# Altium PCB BEAGLEPLAYV020_220915.brd.PcbDoc (part 11 of 12) (continued)
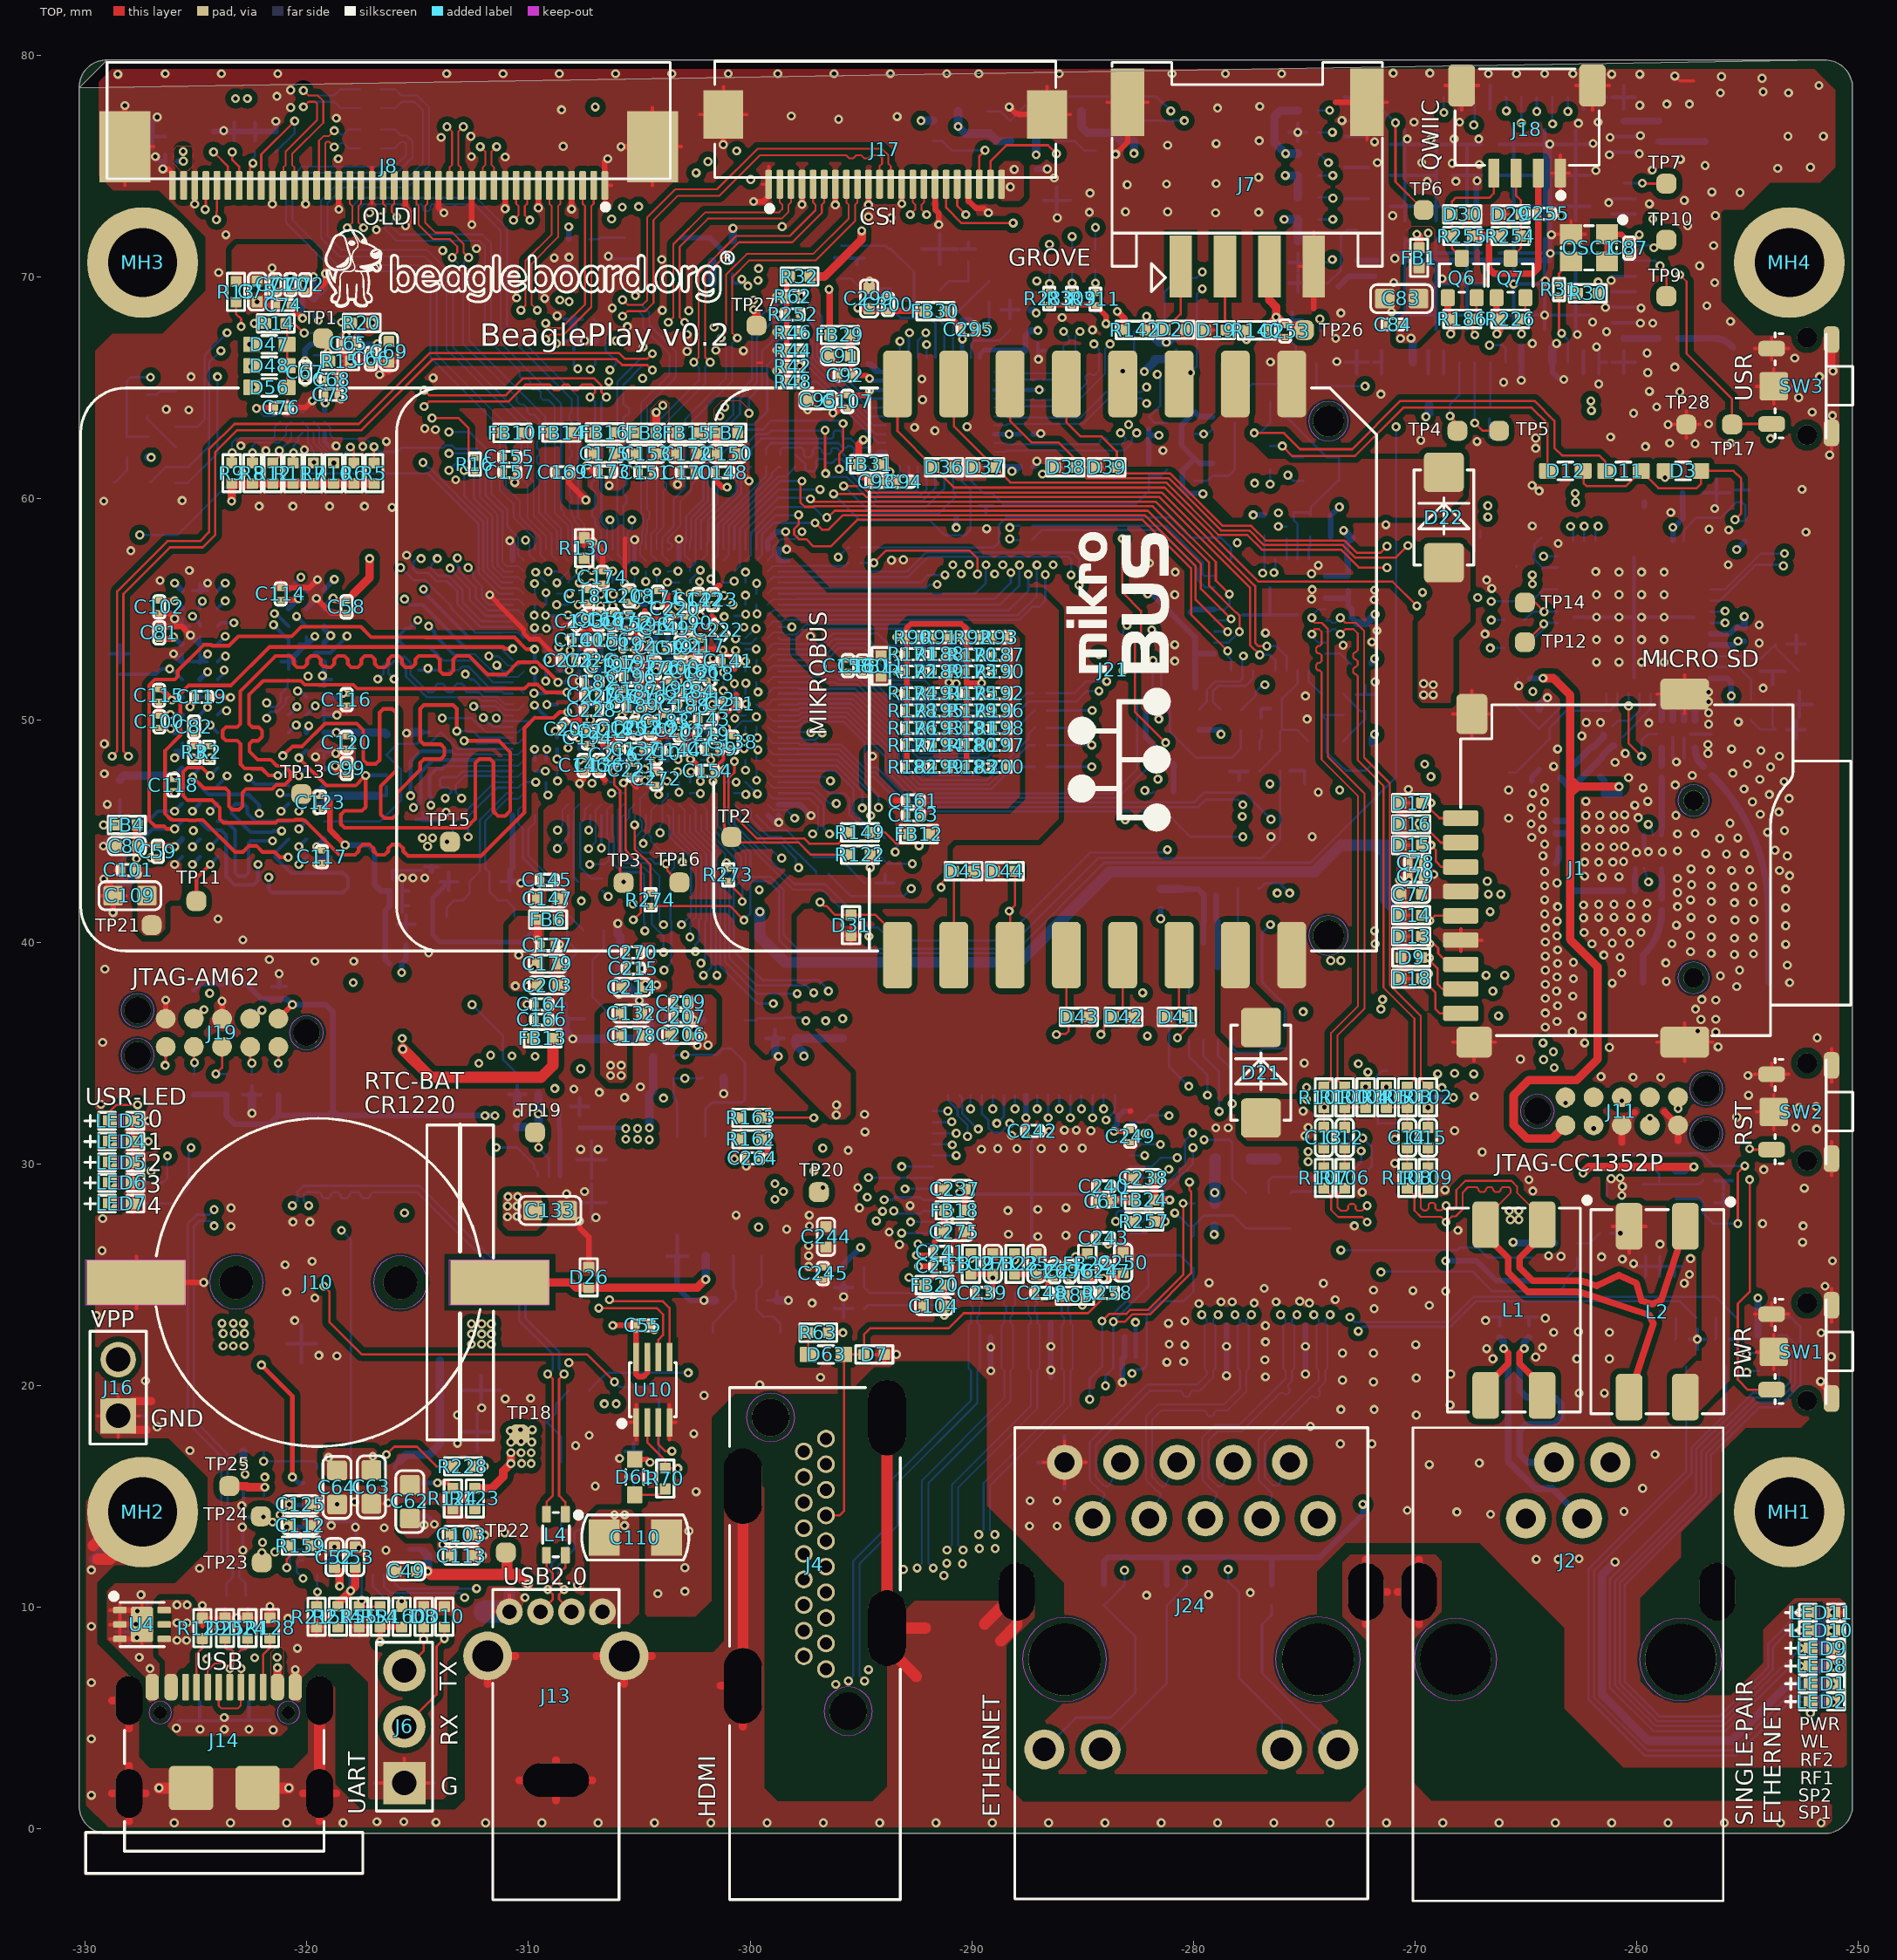
[diagram p0: TOP view]
## Nets (pads, with @x,y where several pads share a name; then routed paths per layer and width w, separated by ;. In a path a pad name is that pad's centre, name@x,y a point inside that pad or via, vN(x,y) a via of type N, cw(c..) or ccw(c..) an arc to the next point about the centre after c; other vN are vias at no path point) (continued)
  LYR3 w0.097: v10(-273.736,70.79) -273.024,70.79 -272.771,70.536 -272.771,66.604 -270.566,64.399 -267.752,64.399 -266.497,63.144 -266.497,60.706 -267.183,60.02 v10(-267.183,55.55)
  LAY6 w0.097: -297.104,50.924 -295.679,50.924 -295.676,50.922 -295.651,50.922 -292.264,47.535 -290.046,47.535 -289.772,47.261 -284.324,47.261 -283.269,48.316 -281.767,48.316 -280.518,47.066 -277.012,47.066 -276.255,46.309 -273.375,46.309 -267.894,51.791 -267.894,54.839 v10(-267.183,55.55) ; v10(-273.736,70.79) -273.71,70.815 -273.71,71.78 -272.263,73.228 -264.719,73.228 -263.115,74.832 v3(-263.115,77.47)
  LAY6 w0.102: v3(-300.711,51.663) -300.305,51.257 -300.127,51.257 -299.794,50.924 -297.104,50.924
  BOTTOM w0.102: U1.M21@-300.711,51.22 v3(-300.711,51.663) ; R18.1@-274.373,71.603 -274.373,70.674 R218.1@-274.36,70.661 -273.864,70.661 v10(-273.736,70.79) ; v3(-263.115,77.47) U5.14@-263.115,78.111
WL_UART_DBG: TP5.1 U5.42 | length 4
  TOP w0.102: v5(-267.315,63.419) -266.964,63.068 TP5.1@-266.217,63.068
  BOTTOM w0.102: v5(-267.315,63.419) U5.42@-267.315,66.161
WLAN_RS232_RX: TP10.1 U5.26 | length 2.1
  TOP w0.102: v5(-259.232,71.323) -259.156,71.323 -258.953,71.526 -258.819,71.526 TP10.1@-258.669,71.676
  BOTTOM w0.102: U5.26@-260.59,71.436 -259.334,71.436 -259.232,71.334 v5(-259.232,71.323)
WLAN_RS232_TX: TP9.1 U5.27 | length 3.2
  TOP w0.102: v5(-258.953,70.51) -258.669,70.227 TP9.1@-258.669,69.136
  BOTTOM w0.102: U5.27@-260.59,70.736 -259.179,70.736 v5(-258.953,70.51)
XI: C2.1 OSC2.3 R224.2 R272.1 R275.1 U13.10 X2.3 | length 6.7
  BOTTOM w0.102: R272.1@-277.032,47.701 -276.1,48.634 R275.1@-276.1,48.672 -276.1,49.503 R224.2@-276.018,49.584 ; U13.10@-275.304,52.248 -275.304,51.67 -276.018,50.956 C2.1@-276.018,50.524 R224.2@-276.018,49.584 ; X2.3@-274.857,49.075 -274.857,49.105 OSC2.3@-274.991,49.239 -275.336,49.584 R224.2@-276.018,49.584
XO: R99.1 U13.9 | length 1.3
  BOTTOM w0.102: U13.9@-274.804,52.248 -274.804,51.76 R99.1@-274.215,51.171
XTAL_IN: C88.1 R277.1 U6.36 Y2.1 | length 8.5
  BOTTOM w0.102: R277.1@-295.885,71.425 -295.875,71.415 C88.1@-295.18,71.415 -293.891,71.415 Y2.1@-293.742,71.266 -293.643,71.266 -292.608,70.231 -292.608,68.656 -292.354,68.402 -291.795,68.402 -291.243,67.85 U6.36@-291.243,66.367
XTAL_OUT: R229.2 R248.2 U6.37 | length 4.1
  BOTTOM w0.102: U6.37@-290.843,66.367 -290.855,66.379 -290.855,68.198 R248.2@-290.158,68.895 ; R248.2@-290.158,68.897 R248.2@-290.158,68.895 ; R229.2@-289.223,69.814 -290.142,68.895 R248.2@-290.158,68.895
pads on no net: J1. J2. J2.2 J2.5 J4. J4.14 J10. J11. J11.7 J11.9 J14. J14.A8 J14.B8 J19. J21. J24. J24.10 MH3.1 MH4.1 SW1. SW2. SW3. U1.A2 U1.A4 U1.A5 U1.A7 U1.A14 U1.AA12 U1.AC20 U1.AD21 U1.AE2 U1.B1 U1.B3 U1.B4 U1.B5 U1.B13 U1.B23 U1.C5 U1.C6 U1.C9 U1.C20 U1.D6 U1.D9 U1.E7 U1.E8 U1.F6 U1.J3 U1.J4 U1.K2 U1.N2 U1.T2 U1.U4 U1.Y15 U3.A1 U3.A2 U3.A7 U3.A8 U3.A9 U3.A10 U3.A11 U3.A12 U3.A13 U3.A14 U3.B1 U3.B7 U3.B8 U3.B9 U3.B10 U3.B11 U3.B12 U3.B13 U3.B14 U3.C1 U3.C3 U3.C5 U3.C7 U3.C8 U3.C9 U3.C10 U3.C11 U3.C12 U3.C13 U3.C14 U3.D1 U3.D2 U3.D3 U3.D4 U3.D12 U3.D13 U3.D14 U3.E1 U3.E2 U3.E3 U3.E5 U3.E8 U3.E9 U3.E10 U3.E12 U3.E13 U3.E14 U3.F1 U3.F2 U3.F3 U3.F10 U3.F12 U3.F13 U3.F14 U3.G1 U3.G2 U3.G3 U3.G10 U3.G12 U3.G13 U3.G14 U3.H1 U3.H2 U3.H3 U3.H12 U3.H13 U3.H14 U3.J1 U3.J2 U3.J3 U3.J12 U3.J13 U3.J14 U3.K1 U3.K2 U3.K3 U3.K6 U3.K7 U3.K10 U3.K12 U3.K13 U3.K14 U3.L1 U3.L2 U3.L3 U3.L12 U3.L13 U3.L14 U3.M1 U3.M2 U3.M3 U3.M7 U3.M8 U3.M9 U3.M10 U3.M11 U3.M12 U3.M13 U3.M14 U3.N1 U3.N3 U3.N6 U3.N7 U3.N8 U3.N9 U3.N10 U3.N11 U3.N12 U3.N13 U3.N14 U3.P1 U3.P2 U3.P7 U3.P8 U3.P9 U3.P10 U3.P11 U3.P12 U3.P13 U3.P14 U5.3 U5.4 U5.5 U5.21 U5.25 U5.50 U5.51 U5.52 U5.53 U5.56 U5.58 U5.60 U5.62 U9.10 U9.11 U9.12 U9.14 U9.15 U9.16 U9.17 U9.20 U9.28 U9.29 U9.30 U9.31 U9.32 U9.36 U9.37 U9.38 U9.39 U13.2 U13.13 U13.22 U13.26 U13.27 U15.2 U15.5 U17.8 U21.4

## Polygon pours and split planes (outlines as drawn)
GND on LYR2_GND "LYR2_GND-GND" (solid, pour order 73): -256.667,14.732 -256.21,15.189 -256.21,16.281 -256.388,16.459 -259.563,16.459 -260.071,15.951 -260.071,15.24 -259.563,14.732
no net on LYR2_GND "LYR2_GND-No Net" (solid, pour order 145): 117 vertices, not listed, extent -329.54,1.346 -250.546,79.375
GND_EARTH on LYR2_GND "LYR2_GND-GND_EARTH" (solid, pour order 130): 68 vertices, not listed, extent -329.946,0.076 -251.206,15.748
GND on BOTTOM "BOTTOM-GND 4" (solid, pour order 143): 79 vertices, not listed, extent -329.54,1.346 -250.876,79.375
VDD_3V3 on BOTTOM "BOTTOM-VDD_3V3" (solid, pour order 26): -267.513,58.014 -267.513,59.69 -267.208,59.995 -266.192,59.995 -265.989,59.792 -265.989,58.953 -266.573,58.953 -266.725,58.801 -266.725,57.988 -266.802,57.912 -267.411,57.912
VDD_CORE on BOTTOM "BOTTOM-VDD_CORE" (solid, pour order 79): -311.023,14.453 -311.023,18.593 -310.718,18.898 -309.855,18.898 -309.626,18.669 -309.626,14.402 -309.982,14.046 -310.617,14.046
GND on BOTTOM "BOTTOM-GND" (solid, pour order 72): -306.832,30.963 -307.569,30.963 -308.28,30.251 -308.28,28.956 -308.407,28.829 -308.585,28.829 -308.661,28.753 -308.661,27.737 -308.178,27.254 -306.857,27.254 -306.654,27.457 -306.654,30.785
VDD_3V3 on BOTTOM "BOTTOM-VDD_3V3 1" (solid, pour order 36): -287.706,72.898 -288.519,72.898 -288.823,73.203 -288.823,74.981 -288.62,75.184 -287.706,75.184 -287.528,75.006 -287.528,73.076
VSYS_5V on BOTTOM "BOTTOM-VSYS_5V" (solid, pour order 23): -309.626,28.753 -310.871,28.753 -311.175,28.448 -311.175,27.534 -310.998,27.356 -309.982,27.356 -309.499,27.838 -309.499,28.626
N16034849 on BOTTOM "BOTTOM-N16034849" (solid, pour order 59): -309.042,28.702 -309.118,28.702 -309.169,28.651 -309.169,27.813 -309.22,27.762 -309.296,27.762 -309.753,27.305 -309.753,25.146 -309.423,24.816 -308.305,24.816 -307.95,25.171 -307.95,26.746 -308.991,27.788 -308.991,28.651
VDD_1V2 on BOTTOM "BOTTOM-VDD_1V2" (solid, pour order 33): -314.096,45.06 -316.332,45.06 -316.611,44.78 -316.611,44.196 -316.357,43.942 -314.706,43.942 -314.63,43.866 -314.274,43.866 -314.122,44.018 -314.122,44.221 -314.122,44.577 -313.969,44.729 -313.969,44.933
VDD_1V0 on BOTTOM "BOTTOM-VDD_1V0" (solid, pour order 58): -303.276,70.155 -301.752,70.155 -301.473,69.875 -301.473,69.418 -301.269,69.215 -300.177,69.215 -299.669,69.215 -299.517,69.063 -299.517,68.428 -299.695,68.25 -301.904,68.25 -302.666,69.012 -303.174,69.012 -303.479,69.317 -303.479,69.952
GND on BOTTOM "BOTTOM-GND 1" (solid, pour order 52): -315.9,42.723 -316.103,42.723 -316.433,43.053 -316.433,43.332 -316.23,43.536 -314.249,43.536 -314.096,43.383 -314.096,42.951 -314.63,42.418 -314.63,40.919 -314.63,40.742 -314.833,40.538 -315.62,40.538 -315.798,40.716 -315.798,42.621
VDD_3V3_SD on BOTTOM "BOTTOM-VDD_3V3_SD" (solid, pour order 74): 22 vertices, not listed, extent -274.803,34.874 -273.05,39.37
GND on BOTTOM "BOTTOM-GND 2" (solid, pour order 100): -318.516,21.107 -320.396,21.107 -320.751,21.463 -320.751,22.657 -321.412,23.317 -321.412,25.476 -321.031,25.857 -318.719,25.857 -318.389,25.527 -318.389,23.368 -318.389,21.234
N16846143 on BOTTOM "BOTTOM-N16846143" (solid, pour order 60): -325.933,75.26 -325.933,78.054 -325.501,78.486 -324.155,78.486 -324.002,78.334 -324.002,77.343 -324.18,77.165 -324.536,77.165 -324.79,76.911 -324.79,75.438 -325.222,75.006 -325.679,75.006
VSYS_5V on BOTTOM "BOTTOM-VSYS_5V 1" (solid, pour order 46): -306.857,16.332 -306.857,19.329 -306.68,19.507 -305.613,19.507 -305.359,19.253 -305.359,17.856 -306.273,16.942 -306.273,16.332 -306.451,16.154 -306.68,16.154
GND on BOTTOM "BOTTOM-GND 3" (solid, pour order 35): -265.786,55.601 -267.411,55.601 -267.792,55.982 -267.792,57.15 -267.513,57.429 -266.675,57.429 -266.471,57.226 -266.471,56.49 -266.268,56.286 -265.913,56.286 -265.709,56.083 -265.709,55.677
VDD_1V2 on BOTTOM "BOTTOM-VDD_1V2 1" (solid, pour order 97): -321.869,18.44 -323.164,18.44 -323.977,19.253 -324.18,19.456 -324.18,22.276 -324.18,22.911 -323.926,23.165 -322.555,23.165 -321.97,22.581 -321.513,22.123 -321.513,18.796
VDDA_0V85 on BOTTOM "BOTTOM-VDDA_0V85" (solid, pour order 13): -320.065,13.208 -320.523,13.208 -320.675,13.36 -322.047,13.36 -322.199,13.208 -322.199,12.471 -321.996,12.268 -321.234,12.268 -320.497,13.005 -320.065,13.005 -319.989,13.081 -319.989,13.132
VDD_3V3 on BOTTOM "BOTTOM-VDD_3V3 2" (solid, pour order 75): 17 vertices, not listed, extent -271.78,35.814 -268.707,38.557
N15997644 on BOTTOM "BOTTOM-N15997644" (solid, pour order 83): 17 vertices, not listed, extent -320.523,16.053 -318.237,20.447
VDD_1V8 on BOTTOM "BOTTOM-VDD_1V8" (solid, pour order 0): -308.077,69.672 -308.585,69.672 -308.813,69.444 -308.813,68.859 -308.61,68.656 -308.051,68.656 -307.924,68.783 -307.924,69.52
GND on BOTTOM "BOTTOM-GND 5" (solid, pour order 111): 30 vertices, not listed, extent -328.905,4.293 -320.142,10.846
MCU_3V3 on BOTTOM "BOTTOM-MCU_3V3" (solid, pour order 39): 19 vertices, not listed, extent -266.421,55.728 -263.296,58.547
VDD_1V8 on BOTTOM "BOTTOM-VDD_1V8 1" (solid, pour order 103): -312.293,23.8 -316.967,23.8 -317.475,23.292 -317.475,21.285 -317.068,20.879 -311.76,20.879 -311.429,21.209 -311.429,22.936 -311.429,23.368 -311.861,23.8
REGOUT on BOTTOM "BOTTOM-REGOUT" (solid, pour order 28): -293.776,65.659 -295.554,65.659 -296.316,66.421 -296.316,66.904 -296.189,67.031 -294.97,67.031 -293.726,65.786 -293.726,65.71
GND_EARTH on BOTTOM "BOTTOM-GND_EARTH" (solid, pour order 133): 66 vertices, not listed, extent -329.946,0.076 -251.206,16.866
GND on BOTTOM "BOTTOM-GND 6" (solid, pour order 48): 17 vertices, not listed, extent -309.194,70.028 -303.708,71.272
VSYS_5V on BOTTOM "BOTTOM-VSYS_5V 2" (solid, pour order 20): -265.887,26.924 -264.465,26.924 -264.389,27 -264.389,27.635 -264.922,28.169 -265.913,28.169 -266.09,27.991 -266.09,27.127
N15998811 on BOTTOM "BOTTOM-N15998811" (solid, pour order 84): 17 vertices, not listed, extent -317.881,15.977 -314.579,19.685
USB_A_5V on BOTTOM "BOTTOM-USB_A_5V" (solid, pour order 29): -305.74,14.656 -306.553,14.656 -306.807,14.402 -306.807,13.335 -306.603,13.132 -305.206,13.132 -304.927,13.411 -304.927,14.376 -305.003,14.453 -305.537,14.453
N15997187 on BOTTOM "BOTTOM-N15997187" (solid, pour order 56): 27 vertices, not listed, extent -315.62,13.97 -312.166,15.926
GND on BOTTOM "BOTTOM-GND 7" (solid, pour order 3): -299.949,70.256 -300.863,70.256 -301.041,70.079 -301.041,69.596 -300.838,69.393 -299.847,69.393 -299.72,69.52 -299.72,70.028
GND on BOTTOM "BOTTOM-GND 8" (solid, pour order 81): -309.88,20.218 -313.055,20.218 -313.385,19.888 -313.385,17.297 -313.182,17.094 -312.09,17.094 -311.836,17.348 -311.836,18.44 -311.099,19.177 -309.905,19.177 -309.651,19.431 -309.651,19.99
N15956717 on BOTTOM "BOTTOM-N15956717" (solid, pour order 24): -258.76,58.039 -258.76,58.71 -259.029,58.979 -259.029,60.401 -259.156,60.528 -259.893,60.528 -260.172,60.249 -260.172,58.953 -259.944,58.725 -259.232,58.725 -259.029,58.522 -259.029,58.039
VDD_1V8 on BOTTOM "BOTTOM-VDD_1V8 2" (solid, pour order 1): -261.95,64.618 -263.042,64.618 -263.144,64.516 -263.144,64.11 -262.865,63.83 -262.001,63.83 -261.849,63.983 -261.849,64.516
GND on BOTTOM "BOTTOM-GND 9" (solid, pour order 32): -323.291,13.005 -323.291,16.078 -323.113,16.256 -322.707,16.256 -322.58,16.129 -322.58,13.056 -322.58,12.395 -322.682,12.294 -323.19,12.294 -323.291,12.395
GND on BOTTOM "BOTTOM-GND 10" (solid, pour order 65): -284.226,72.669 -284.226,74.752 -286.791,74.752 -286.791,72.669
VDDRF on BOTTOM "BOTTOM-VDDRF" (solid, pour order 67): -263.83,60.376 -263.83,59.309 -263.677,59.157 -260.883,59.157 -260.782,59.258 -260.782,60.427 -260.782,60.858 -260.909,60.985 -263.703,60.985 -263.83,60.858
N8505525 on BOTTOM "BOTTOM-N8505525" (solid, pour order 49): 19 vertices, not listed, extent -264.693,62.509 -262.433,66.472
PO_5V on BOTTOM "BOTTOM-PO_5V" (solid, pour order 66): 33 vertices, not listed, extent -261.925,27.254 -258.166,29.718
VDD_3V3 on BOTTOM "BOTTOM-VDD_3V3 3" (solid, pour order 102): -304.495,24.79 -306.248,24.79 -306.68,25.222 -306.68,26.492 -305.841,27.33 -305.841,31.267 -305.841,31.75 -305.664,31.928 -304.241,31.928 -304.063,31.75 -304.063,31.217 -304.063,25.222
VDD_2V5 on BOTTOM "BOTTOM-VDD_2V5" (solid, pour order 18): 18 vertices, not listed, extent -322.148,14.707 -319.964,16.129
VSYS_5V on BOTTOM "BOTTOM-VSYS_5V 3" (solid, pour order 44): -325.399,10.516 -326.517,10.516 -326.771,10.262 -326.771,8.433 -326.466,8.128 -325.399,8.128 -325.145,8.382 -325.145,10.262
VSYS_5V on BOTTOM "BOTTOM-VSYS_5V 4" (solid, pour order 2): -323.469,77.521 -323.469,78.13 -323.266,78.334 -322.504,78.334 -322.351,78.181 -322.351,77.495 -322.504,77.343 -323.291,77.343
N16222390 on BOTTOM "BOTTOM-N16222390" (solid, pour order 55): -262.941,26.924 -262.306,26.924 -262.077,27.153 -262.077,29.693 -262.407,30.023 -263.906,30.023 -264.109,29.82 -264.109,28.981 -263.017,27.889 -263.017,27
N8504621 on BOTTOM "BOTTOM-N8504621" (solid, pour order 6): -270.993,66.04 -270.993,67.234 -270.764,67.462 -270.104,67.462 -269.9,67.259 -269.9,66.675 -269.977,66.599 -270.612,66.599 -270.637,66.573 -270.637,66.015 -270.713,65.938 -270.891,65.938
VDD_3V3 on BOTTOM "BOTTOM-VDD_3V3 4" (solid, pour order 15): 17 vertices, not listed, extent -315.595,12.344 -313.207,13.564
N16757495 on BOTTOM "BOTTOM-N16757495" (solid, pour order 25): -305.511,70.155 -306.172,70.155 -306.603,70.587 -306.654,70.587 -307.34,70.587 -307.492,70.434 -307.492,69.24 -307.315,69.063 -306.578,69.063 -306.146,69.494 -305.511,69.494 -305.308,69.698 -305.308,69.952
GND on BOTTOM "BOTTOM-GND 11" (solid, pour order 80): -326.238,74.676 -326.238,75.54 -326.517,75.819 -326.517,77.8 -326.822,78.105 -328.168,78.105 -328.422,77.851 -328.422,74.727 -328.168,74.473 -326.441,74.473
VDDA_1V8 on BOTTOM "BOTTOM-VDDA_1V8" (solid, pour order 4): -320.065,14.224 -320.497,14.224 -320.65,14.376 -322.047,14.376 -322.123,14.3 -322.123,13.741 -322.021,13.64 -321.335,13.64 -321.081,13.894 -320.624,13.894 -320.523,13.995 -320.065,13.995 -319.989,14.072 -319.989,14.148
GND_EARTH on LAY4_PWR1 "LAY4_PWR1-GND_EARTH" (solid, pour order 136): 72 vertices, not listed, extent -329.946,0.076 -250.546,15.773
AVDD33 on LAY4_PWR1 "LAY4_PWR1-AVDD33" (solid, pour order 93): 18 vertices, not listed, extent -288.392,60.706 -285.369,67.843
VDDA_1V8_OLDI on LAY4_PWR1 "LAY4_PWR1-VDDA_1V8_OLDI" (solid, pour order 96): -306.934,54.94 -305.918,54.94 -305.714,55.143 -305.714,59.004 -305.714,59.995 -305.994,60.274 -306.984,60.274 -307.721,60.274 -307.924,60.071 -307.924,55.931
PHY_VDDIO on LAY4_PWR1 "LAY4_PWR1-PHY_VDDIO" (solid, pour order 99): -298.679,68.91 -298.679,64.643 -298.171,64.135 -294.361,64.135 -294.208,64.287 -294.208,65.049 -294.361,65.202 -296.316,65.202 -297.078,65.964 -297.078,69.723 -297.434,70.079 -298.475,70.079 -298.679,69.875
AVDD10 on LAY4_PWR1 "LAY4_PWR1-AVDD10" (solid, pour order 91): -290.652,67.412 -289.992,67.412 -289.154,67.412 -286.741,64.999 -286.741,63.322 -287.782,62.281 -288.087,62.281 -288.569,62.281 -288.747,62.459 -288.747,64.541 -290.881,66.675 -290.881,67.183
VDD_CORE on LAY4_PWR1 "LAY4_PWR1-VDD_CORE" (solid, pour order 127): 45 vertices, not listed, extent -320.269,16.154 -302.412,64.516
VSYS_5V on LAY4_PWR1 "LAY4_PWR1-VSYS_5V" (solid, pour order 139): 77 vertices, not listed, extent -326.746,2.997 -253.898,79.121
PHY_VDD1V0 on LAY4_PWR1 "LAY4_PWR1-PHY_VDD1V0" (solid, pour order 76): 19 vertices, not listed, extent -295.453,62.484 -292.938,68.834
HDMI_AVCC on LAY4_PWR1 "LAY4_PWR1-HDMI_AVCC" (solid, pour order 115): -288.671,32.385 -287.477,32.385 -286.893,31.801 -285.902,31.801 -283.108,29.007 -283.108,26.365 -283.87,25.603 -292.735,25.603 -292.938,25.806 -292.938,28.905 -291.744,30.099 -289.535,30.099 -288.925,30.709 -288.925,32.131
VDD_1V8 on LAY4_PWR1 "LAY4_PWR1-VDD_1V8" (solid, pour order 140): 71 vertices, not listed, extent -327.431,21.615 -259.613,77.038
GND on LAY4_PWR1 "LAY4_PWR1-GND" (solid, pour order 138): 30 vertices, not listed, extent -329.463,17.805 -299.872,66.802
GND on LAY4_PWR1 "LAY4_PWR1-GND 1" (solid, pour order 134): 21 vertices, not listed, extent -300.355,20.726 -251.308,67.158
VDD_3V3_SD on LAY4_PWR1 "LAY4_PWR1-VDD_3V3_SD" (solid, pour order 109): -267.564,42.926 -267.564,40.64 -271.043,37.16 -274.015,37.16 -274.574,37.719 -274.574,39.192 -274.269,39.497 -272.669,39.497 -270.053,42.113 -270.053,43.205 -269.773,43.485 -268.122,43.485
VDDA_PLL0 on LAY4_PWR1 "LAY4_PWR1-VDDA_PLL0" (solid, pour order 110): 20 vertices, not listed, extent -311.277,53.543 -305.968,61.138
VDD_1V2 on LAY5_PWR2 "LAY5_PWR2-VDD_1V2" (solid, pour order 137): 26 vertices, not listed, extent -327.889,21.488 -306.502,58.598
VDDA_0V85 on LAY5_PWR2 "LAY5_PWR2-VDDA_0V85" (solid, pour order 124): 38 vertices, not listed, extent -322.275,10.363 -302.768,53.95
VDD_3V3 on LAY5_PWR2 "LAY5_PWR2-VDD_3V3" (solid, pour order 142): 69 vertices, not listed, extent -324.079,7.798 -251.536,78.537
VDDA_1V8 on LAY5_PWR2 "LAY5_PWR2-VDDA_1V8" (solid, pour order 122): 25 vertices, not listed, extent -322.275,13.03 -307.238,49.454
GND_EARTH on LAY5_PWR2 "LAY5_PWR2-GND_EARTH" (solid, pour order 135): 72 vertices, not listed, extent -329.946,0.076 -250.546,15.672
VDDA_PLL1 on LAY5_PWR2 "LAY5_PWR2-VDDA_PLL1" (solid, pour order 94): 22 vertices, not listed, extent -303.911,52.603 -297.002,55.804
VDDA_1V8_CSIRX on LAY5_PWR2 "LAY5_PWR2-VDDA_1V8_CSIRX" (solid, pour order 82): -303.987,54.966 -304.444,54.966 -304.648,55.169 -304.648,56.54 -304.775,56.667 -304.775,60.452 -304.241,60.985 -303.251,60.985 -303.022,60.757 -303.022,60.249 -303.428,59.842 -303.428,55.524
VDD_2V5 on LAY5_PWR2 "LAY5_PWR2-VDD_2V5" (solid, pour order 119): -329.819,21.742 -329.819,45.364 -329.535,45.648 -327.434,45.647 -327.152,45.364 -327.152,39.218 -328.041,38.329 -328.041,24.155 -325.095,21.209 -322.072,21.209 -321.589,20.726 -321.589,15.291 -321.793,15.088 -323.164,15.088
VDD_1V8 on TOP "TOP-VDD_1V8" (solid, pour order 34): -304.851,39.98 -303.987,39.98 -303.759,39.751 -303.759,37.948 -303.962,37.744 -304.825,37.744 -305.054,37.973 -305.054,39.776
VDD_3V3 on TOP "TOP-VDD_3V3" (solid, pour order 10): -269.265,71.12 -270.154,71.12 -270.332,71.298 -270.332,72.136 -270.18,72.288 -269.291,72.288 -269.138,72.136 -269.138,71.247
USB_A_5V on TOP "TOP-USB_A_5V" (solid, pour order 95): -307.238,9.627 -307.238,13.995 -306.832,14.402 -305.359,14.402 -305.003,14.046 -305.003,9.703 -305.46,9.246 -306.857,9.246
VDD_CORE on TOP "TOP-VDD_CORE" (solid, pour order 5): -304.47,62.967 -304.47,64.059 -304.089,64.44 -303.809,64.44 -303.682,64.313 -303.682,63.449 -303.835,63.297 -303.835,62.941 -303.987,62.789 -304.292,62.789
VSYS_5V on TOP "TOP-VSYS_5V" (solid, pour order 101): -267.843,57.887 -269.215,57.887 -269.545,57.556 -269.545,54.762 -269.875,54.432 -269.875,52.019 -269.875,51.003 -269.672,50.8 -268.427,50.8 -268.275,50.952 -268.275,53.721 -267.513,54.483 -267.513,57.556
VDD_CANUART on TOP "TOP-VDD_CANUART" (solid, pour order 85): 18 vertices, not listed, extent -309.321,40.742 -307.391,48.641
VDD_3V3_SD on TOP "TOP-VDD_3V3_SD" (solid, pour order 40): -269.672,43.739 -269.113,43.739 -268.935,43.561 -268.935,43.104 -268.478,42.647 -267.564,42.647 -267.056,42.647 -266.954,42.545 -266.954,42.088 -267.081,41.961 -269.799,41.961 -269.824,41.986 -269.824,43.586
VDDA_1V8 on TOP "TOP-VDDA_1V8" (solid, pour order 121): 96 vertices, not listed, extent -311.633,32.004 -286.08,65.684
N16846143 on TOP "TOP-N16846143" (solid, pour order 7): -325.704,73.965 -325.704,74.803 -326.009,75.108 -326.009,75.768 -325.857,75.921 -325.247,75.921 -325.145,75.819 -325.145,75.006 -325.349,74.803 -325.399,74.803 -325.425,74.778 -325.425,73.914 -325.476,73.863 -325.603,73.863
VDD_1V2 on TOP "TOP-VDD_1V2" (solid, pour order 63): 18 vertices, not listed, extent -327.838,40.284 -325.653,43.688
VSYS_5V on TOP "TOP-VSYS_5V 1" (solid, pour order 37): -309.677,28.727 -310.718,28.727 -310.998,28.727 -311.15,28.575 -311.15,27.229 -310.921,27 -310.693,27 -309.626,27 -309.423,27.203 -309.423,28.473
VDD_1V8 on TOP "TOP-VDD_1V8 1" (solid, pour order 78): -319.634,69.85 -321.64,69.85 -321.869,69.621 -323.24,69.621 -323.393,69.774 -323.393,71.222 -323.139,71.476 -319.913,71.476 -319.532,71.095 -319.532,69.952
VDD_3V3 on TOP "TOP-VDD_3V3 1" (solid, pour order 19): -287.884,75.235 -288.519,75.235 -288.773,74.981 -288.773,73.558 -288.646,73.431 -287.858,73.431 -287.655,73.635 -287.655,75.006
GND on TOP "TOP-GND" (solid, pour order 98): -326.771,78.257 -328.701,78.257 -329.082,77.876 -329.082,74.701 -328.346,73.965 -326.619,73.965 -326.39,73.736 -326.085,73.736 -325.958,73.863 -325.958,74.143 -325.958,74.625 -326.314,74.981 -326.314,77.8
VDD_3V3 on TOP "TOP-VDD_3V3 2" (solid, pour order 8): -313.411,13.487 -313.868,13.487 -314.096,13.259 -314.096,12.268 -313.919,12.09 -313.411,12.09 -313.207,12.294 -313.207,13.284
GND on TOP "TOP-GND 1" (solid, pour order 69): -270.84,70.993 -272.212,70.993 -272.593,70.612 -272.593,68.021 -272.059,67.488 -271.348,67.488 -271.17,67.666 -271.17,67.97 -270.866,68.275 -270.866,70.434 -270.713,70.587 -270.713,70.866
N8504621 on TOP "TOP-N8504621" (solid, pour order 62): -269.926,67.031 -270.789,67.031 -270.866,67.107 -270.866,68.047 -270.408,68.504 -270.408,70.409 -270.18,70.637 -269.367,70.637 -269.062,70.333 -269.062,67.894
VDDA_1V8_MCU on TOP "TOP-VDDA_1V8_MCU" (solid, pour order 12): -309.55,35.585 -309.55,37.313 -309.651,37.414 -310.185,37.414 -310.337,37.262 -310.337,35.56 -310.185,35.408 -309.728,35.408
VDDA_1V8_USB on TOP "TOP-VDDA_1V8_USB" (solid, pour order 22): -305.638,60.604 -305.638,63.068 -305.791,63.221 -306.197,63.221 -306.324,63.094 -306.324,61.646 -306.324,61.062 -306.553,60.833 -306.553,60.477 -306.451,60.376 -305.867,60.376
VDDA_0V85 on TOP "TOP-VDDA_0V85" (solid, pour order 47): -306.553,36.932 -306.756,36.728 -306.756,34.036 -306.375,33.655 -305.74,33.655 -305.562,33.833 -305.562,36.678 -305.562,36.881 -305.664,36.982 -306.502,36.982
GND on TOP "TOP-GND 2" (solid, pour order 53): -327.152,6.731 -327.152,6.02 -327.101,5.969 -326.822,5.969 -326.72,6.071 -326.72,7.468 -326.949,7.696 -326.949,10.516 -327.254,10.82 -327.787,10.82 -327.99,10.617 -327.99,7.569
VDDA_PLL0 on TOP "TOP-VDDA_PLL0" (solid, pour order 27): -310.693,61.062 -310.693,62.357 -310.515,62.535 -310.515,63.119 -310.439,63.195 -309.88,63.195 -309.753,63.068 -309.753,60.782 -310.058,60.477 -310.642,60.477 -310.871,60.706 -310.871,60.884
MB_3V3 on TOP "TOP-MB_3V3" (solid, pour order 88): -277.825,40.843 -278.511,40.843 -278.765,40.589 -278.765,35.941 -278.079,35.255 -276.403,35.255 -276.098,35.56 -276.098,36.678 -277.495,38.075 -277.495,40.513
VSYS_5V on TOP "TOP-VSYS_5V 2" (solid, pour order 61): 29 vertices, not listed, extent -326.72,5.893 -325.171,10.338
GND_EARTH on TOP "TOP-GND_EARTH" (solid, pour order 129): 65 vertices, not listed, extent -329.946,0.076 -251.206,15.748
VDDA_1V8_OLDI on TOP "TOP-VDDA_1V8_OLDI" (solid, pour order 31): -307.264,59.741 -308.077,59.741 -308.331,59.995 -308.331,63.195 -308.28,63.246 -307.848,63.246 -307.594,62.992 -307.594,60.655 -307.594,60.452 -307.188,60.046 -307.188,59.817
VDD_3V3 on TOP "TOP-VDD_3V3 3" (solid, pour order 14): -316.941,66.497 -317.652,66.497 -317.932,66.777 -317.932,67.31 -317.703,67.539 -316.078,67.539 -315.925,67.386 -315.925,66.954 -316.027,66.853 -316.586,66.853
VDD_1V2 on TOP "TOP-VDD_1V2 1" (solid, pour order 30): -295.783,26.492 -297.434,26.492 -297.713,26.213 -297.713,25.4 -297.459,25.146 -295.783,25.146 -295.631,25.298 -295.631,26.34
GND on TOP "TOP-GND 3" (solid, pour order 54): 19 vertices, not listed, extent -318.745,64.262 -316.027,67.259
VDDA_CORE_USB on TOP "TOP-VDDA_CORE_USB" (solid, pour order 11): -305.46,63.119 -305.46,61.062 -305.333,60.935 -305.029,60.935 -304.851,61.112 -304.851,63.144 -304.927,63.221 -305.359,63.221
GND on TOP "TOP-GND 4" (solid, pour order 38): -297.409,24.409 -297.409,23.266 -297.282,23.139 -295.885,23.139 -295.605,23.419 -295.605,24.409 -295.605,24.663 -295.732,24.79 -297.205,24.79 -297.409,24.587
VSYS_5V on TOP "TOP-VSYS_5V 3" (solid, pour order 21): -315.493,14.376 -314.173,14.376 -313.969,14.173 -313.969,13.665 -314.503,13.132 -315.468,13.132 -315.798,13.462 -315.798,14.072
VSYS_5V on TOP "TOP-VSYS_5V 4" (solid, pour order 9): -321.615,6.223 -321.615,7.976 -321.386,8.204 -321.158,8.204 -321.056,8.103 -321.056,6.121 -321.158,6.02 -321.412,6.02
VDD_3V3 on TOP "TOP-VDD_3V3 4" (solid, pour order 70): -275.26,32.918 -277.495,32.918 -277.8,32.614 -277.8,31.267 -277.571,31.039 -274.777,31.039 -274.599,31.217 -274.599,32.258
VSYS_5V on TOP "TOP-VSYS_5V 5" (solid, pour order 42): -316.967,17.17 -319.075,17.17 -319.278,16.967 -319.278,16.053 -318.999,15.773 -316.941,15.773 -316.738,15.977 -316.738,16.942
GND on TOP "TOP-GND 5" (solid, pour order 144): 110 vertices, not listed, extent -329.54,1.346 -250.546,79.375
VDDA_1V8_CSIRX on TOP "TOP-VDDA_1V8_CSIRX" (solid, pour order 17): -302.971,60.554 -302.971,63.144 -303.124,63.297 -303.53,63.297 -303.632,63.195 -303.632,60.63 -303.403,60.401 -303.124,60.401
N17283785 on TOP "TOP-N17283785" (solid, pour order 112): -277.774,66.548 -278.359,66.548 -278.765,66.142 -278.765,63.779 -279.324,63.221 -279.324,60.249 -278.232,59.157 -268.834,59.157 -267.843,60.147 -267.843,61.265 -268.376,61.798 -276.631,61.798 -277.52,62.687 -277.52,66.294
VDD_CORE on TOP "TOP-VDD_CORE 1" (solid, pour order 64): -309.55,41.173 -310.49,41.173 -310.896,40.767 -310.896,37.973 -310.718,37.795 -309.55,37.795 -309.296,38.049 -309.296,40.919
PO_5V on TOP "TOP-PO_5V" (solid, pour order 105): 18 vertices, not listed, extent -261.391,18.669 -255.803,29.591
VDDA_PLL2 on TOP "TOP-VDDA_PLL2" (solid, pour order 41): -294.843,48.26 -294.843,48.514 -294.716,48.641 -294.31,48.641 -294.195,48.527 -294.195,47.511 -292.811,46.126 -292.811,44.628 -293.319,44.628 -293.446,44.755 -293.446,45.745 -294.843,47.142 -294.843,47.625
VDD_3V3 on TOP "TOP-VDD_3V3 5" (solid, pour order 43): -301.752,37.643 -302.717,37.643 -302.971,37.389 -302.971,35.535 -302.565,35.128 -301.828,35.128 -301.523,35.433 -301.523,37.414
GND on TOP "TOP-GND 6" (solid, pour order 50): -328.295,41.123 -328.295,44.348 -328.524,44.577 -329.184,44.577 -329.438,44.323 -329.438,41.123 -329.184,40.869 -328.549,40.869
VDD_CORE on TOP "TOP-VDD_CORE 2" (solid, pour order 16): -300.126,62.941 -300.126,64.11 -300.431,64.414 -301.295,64.414 -301.65,64.059 -301.65,63.602 -301.473,63.424 -300.965,63.424 -300.812,63.271 -300.812,62.916 -300.66,62.763 -300.304,62.763
VDDA_PLL1 on TOP "TOP-VDDA_PLL1" (solid, pour order 51): -293.878,52.273 -295.783,52.273 -297.028,53.518 -297.028,53.899 -297.256,54.127 -297.764,54.127 -297.942,53.95 -297.942,53.061 -296.418,51.537 -293.878,51.537 -293.776,51.638 -293.776,52.172
MCU_3V3 on LAY6 "LAY6-MCU_3V3" (solid, pour order 117): -265.328,58.598 -264.973,58.953 -255.295,58.953 -254.737,58.395 -254.737,54.635 -254.991,54.381 -261.264,54.381 -263.017,52.629 -264.262,51.384 -264.973,51.384 -265.328,51.74
VDDRF on LAY6 "LAY6-VDDRF" (solid, pour order 118): 20 vertices, not listed, extent -264.135,49.301 -251.536,61.341
VDDA_1V8 on LAY6 "LAY6-VDDA_1V8" (solid, pour order 113): 18 vertices, not listed, extent -316.332,31.445 -295.885,36.932
GND on LAY6 "LAY6-GND" (solid, pour order 141): 69 vertices, not listed, extent -329.387,11.633 -250.876,79.375
GND_EARTH on LAY6 "LAY6-GND_EARTH" (solid, pour order 132): 68 vertices, not listed, extent -329.946,0.076 -251.206,15.9
VDD_3V3 on LAY6 "LAY6-VDD_3V3" (solid, pour order 57): -304.038,48.031 -304.444,48.031 -305.105,48.692 -306.502,48.692 -306.959,49.149 -306.959,49.886 -306.73,50.114 -304.521,50.114 -303.886,49.479 -303.886,48.184
VDDA_1V8_USB on LAY6 "LAY6-VDDA_1V8_USB" (solid, pour order 71): -305.587,55.448 -306.248,55.448 -306.375,55.575 -306.375,56.083 -305.892,56.566 -305.892,56.972 -306.654,57.734 -306.654,60.731 -306.502,60.884 -305.816,60.884 -305.587,60.655 -305.587,58.268 -305.029,57.709 -305.029,56.007
VDD_CORE on LAY6 "LAY6-VDD_CORE" (solid, pour order 77): 20 vertices, not listed, extent -307.569,53.01 -302.895,55.016
VDD_1V8 on LAY6 "LAY6-VDD_1V8" (solid, pour order 125): 32 vertices, not listed, extent -321.158,12.675 -268.148,29.159
VDDA_CORE_USB on LAY6 "LAY6-VDDA_CORE_USB" (solid, pour order 87): 17 vertices, not listed, extent -305.994,54.483 -303.606,61.9
VDDA_1V8 on LAY6 "LAY6-VDDA_1V8 1" (solid, pour order 104): 23 vertices, not listed, extent -307.975,48.006 -301.879,53.035

## Text inside footprints (layer, text, board x,y; h text height)
D3: PIN_NUMBER "1" at -257.536,61.256 h0.64 r270; PIN_NUMBER "2" at -259.187,61.256 h0.64 r270; ASSEMBLY_TOP "RB520S30T1G" at -257.79,61.51 h0.64 r180
D4: PIN_NUMBER "4" at -288.902,22.202 h0.64; PIN_NUMBER "7" at -288.902,21.302 h0.64; PIN_NUMBER "2" at -289.903,22.202 h0.64; PIN_NUMBER "9" at -289.903,21.302 h0.64; PIN_NUMBER "1" at -290.403,22.202 h0.64; PIN_NUMBER "10" at -290.657,21.302 h0.64; PIN_NUMBER "5" at -288.403,22.202 h0.64; PIN_NUMBER "6" at -288.403,21.302 h0.64; PIN_NUMBER "3" at -289.403,22.202 h0.64; PIN_NUMBER "8" at -289.403,21.302 h0.64; ASSEMBLY_TOP "TPD4E05U06DQAR" at -289.53,22.26 h0.64
D5: PIN_NUMBER "5" at -285.697,22.202 h0.64; PIN_NUMBER "6" at -285.697,21.302 h0.64; PIN_NUMBER "1" at -287.697,22.202 h0.64; PIN_NUMBER "10" at -287.951,21.302 h0.64; PIN_NUMBER "2" at -287.197,22.202 h0.64; PIN_NUMBER "9" at -287.197,21.302 h0.64; PIN_NUMBER "4" at -286.197,22.202 h0.64; PIN_NUMBER "7" at -286.197,21.302 h0.64; PIN_NUMBER "8" at -286.697,21.302 h0.64; PIN_NUMBER "3" at -286.697,22.202 h0.64; ASSEMBLY_TOP "TPD4E05U06DQAR" at -286.824,22.26 h0.64
D6: PIN_NUMBER "5" at -282.372,22.202 h0.64; PIN_NUMBER "6" at -282.372,21.302 h0.64; PIN_NUMBER "7" at -282.872,21.302 h0.64; PIN_NUMBER "4" at -282.872,22.202 h0.64; PIN_NUMBER "1" at -284.372,22.202 h0.64; PIN_NUMBER "10" at -284.626,21.302 h0.64; PIN_NUMBER "2" at -283.872,22.202 h0.64; PIN_NUMBER "9" at -283.872,21.302 h0.64; PIN_NUMBER "3" at -283.372,22.202 h0.64; PIN_NUMBER "8" at -283.372,21.302 h0.64; ASSEMBLY_TOP "TPD4E05U06DQAR" at -283.499,22.26 h0.64
D7: PIN_NUMBER "2" at -295.122,21.404 h0.64 r180; PIN_NUMBER "1" at -294.197,21.404 h0.64 r180; ASSEMBLY_TOP "TPD1E1B04DPY" at -294.532,21.658 h0.64 r180
D8: PIN_NUMBER "2" at -314.985,9.111 h0.64 r270; PIN_NUMBER "1" at -314.985,10.036 h0.64 r270; ASSEMBLY_TOP "TPD1E1B04DPY" at -314.985,9.447 h0.64 r270
D9: PIN_NUMBER "2" at -269.971,39.313 h0.64; PIN_NUMBER "1" at -270.896,39.313 h0.64; ASSEMBLY_TOP "TPD1E1B04DPY" at -270.053,39.059 h0.64
D10: PIN_NUMBER "2" at -314.046,9.111 h0.64 r270; PIN_NUMBER "1" at -314.046,10.036 h0.64 r270; ASSEMBLY_TOP "TPD1E1B04DPY" at -314.046,9.447 h0.64 r270
D11: PIN_NUMBER "1" at -260.229,61.256 h0.64 r270; PIN_NUMBER "2" at -261.88,61.256 h0.64 r270; ASSEMBLY_TOP "RB520S30T1G" at -260.483,61.51 h0.64 r180
D12: PIN_NUMBER "1" at -262.847,61.256 h0.64 r270; PIN_NUMBER "2" at -264.498,61.256 h0.64 r270; ASSEMBLY_TOP "RB520S30T1G" at -263.101,61.51 h0.64 r180
D13: PIN_NUMBER "2" at -269.971,40.26 h0.64; PIN_NUMBER "1" at -270.896,40.26 h0.64; ASSEMBLY_TOP "TPD1E1B04DPY" at -270.053,40.006 h0.64
D14: PIN_NUMBER "1" at -270.896,41.218 h0.64; PIN_NUMBER "2" at -269.971,41.218 h0.64; ASSEMBLY_TOP "TPD1E1B04DPY" at -270.053,40.964 h0.64
D15: PIN_NUMBER "2" at -269.971,44.377 h0.64; PIN_NUMBER "1" at -270.896,44.377 h0.64; ASSEMBLY_TOP "TPD1E1B04DPY" at -270.053,44.123 h0.64
D16: PIN_NUMBER "2" at -269.971,45.321 h0.64; PIN_NUMBER "1" at -270.896,45.321 h0.64; ASSEMBLY_TOP "TPD1E1B04DPY" at -270.053,45.067 h0.64
D17: PIN_NUMBER "2" at -269.971,46.28 h0.64; PIN_NUMBER "1" at -270.896,46.28 h0.64; ASSEMBLY_TOP "TPD1E1B04DPY" at -270.053,46.026 h0.64
D18: PIN_NUMBER "1" at -270.896,38.355 h0.64; PIN_NUMBER "2" at -269.971,38.355 h0.64; ASSEMBLY_TOP "TPD1E1B04DPY" at -270.053,38.101 h0.64
D19: PIN_NUMBER "2" at -278.785,67.603 h0.64; PIN_NUMBER "1" at -279.71,67.603 h0.64; ASSEMBLY_TOP "TPD1E1B04DPY" at -278.866,67.349 h0.64
D20: PIN_NUMBER "2" at -281.54,67.627 h0.64 r180; PIN_NUMBER "1" at -280.615,67.627 h0.64 r180; ASSEMBLY_TOP "TPD1E1B04DPY" at -280.951,67.881 h0.64 r180
D21: PIN_NUMBER "1" at -277.216,32.07 h0.64 r90; PIN_NUMBER "2" at -277.216,36.154 h0.64 r90; ASSEMBLY_TOP "B130L-13-F" at -277.724,33.731 h0.64 r90
D22: PIN_NUMBER "1" at -268.961,57.115 h0.64 r90; PIN_NUMBER "2" at -268.961,61.199 h0.64 r90; ASSEMBLY_TOP "B130L-13-F" at -269.469,58.776 h0.64 r90
D23: PIN_NUMBER "2" at -326.153,62.532 h0.64; PIN_NUMBER "1" at -326.153,60.881 h0.64; ASSEMBLY_TOP "RB520S30T1G" at -326.153,61.389 h0.64 r90
D24: PIN_NUMBER "2" at -322.927,8.599 h0.64 r270; PIN_NUMBER "1" at -322.927,9.524 h0.64 r270; ASSEMBLY_TOP "TPD1E1B04DPY" at -322.927,8.935 h0.64 r270
D25: PIN_NUMBER "2" at -323.943,8.598 h0.64 r270; PIN_NUMBER "1" at -323.943,9.523 h0.64 r270; ASSEMBLY_TOP "TPD1E1B04DPY" at -323.943,8.934 h0.64 r270
D26: PIN_NUMBER "1" at -307.535,25.346 h0.64 r270; PIN_NUMBER "2" at -307.535,24.421 h0.64 r270; ASSEMBLY_TOP "TPD1E1B04DPY" at -307.535,24.757 h0.64 r270
D27: PIN_NUMBER "2" at -254.31,39.395 h0.64 r180; PIN_NUMBER "1" at -253.61,39.395 h0.64 r180; ASSEMBLY_TOP "TPD1E0B04DPY" at -253.325,39.014 h0.64 r180
D28: PIN_NUMBER "2" at -259.983,39.395 h0.64; PIN_NUMBER "1" at -260.684,39.395 h0.64; ASSEMBLY_TOP "TPD1E0B04DPY" at -260.46,39.776 h0.64
D29: PIN_NUMBER "1" at -266.413,72.83 h0.64; PIN_NUMBER "2" at -265.488,72.83 h0.64; ASSEMBLY_TOP "TPD1E1B04DPY" at -265.57,72.576 h0.64
D30: PIN_NUMBER "1" at -267.669,72.83 h0.64 r180; PIN_NUMBER "2" at -268.594,72.83 h0.64 r180; ASSEMBLY_TOP "TPD1E1B04DPY" at -268.004,73.084 h0.64 r180
D31: PIN_NUMBER "2" at -295.707,41.23 h0.64 r90; PIN_NUMBER "1" at -295.707,40.304 h0.64 r90; ASSEMBLY_TOP "TPD1E1B04DPY" at -295.199,40.894 h0.64 r90
D32: PIN_NUMBER "2" at -276.584,61.316 h0.64 r270; PIN_NUMBER "1" at -278.235,61.316 h0.64 r270; ASSEMBLY_TOP "RB520S30T1G" at -277.473,61.57 h0.64
D33: PIN_NUMBER "2" at -276.584,63.424 h0.64 r270; PIN_NUMBER "1" at -278.235,63.424 h0.64 r270; ASSEMBLY_TOP "RB520S30T1G" at -277.473,63.678 h0.64
D34: PIN_NUMBER "2" at -276.584,64.389 h0.64 r270; PIN_NUMBER "1" at -278.235,64.389 h0.64 r270; ASSEMBLY_TOP "RB520S30T1G" at -277.473,64.643 h0.64
D35: PIN_NUMBER "1" at -276.86,27.254 h0.64; PIN_NUMBER "2" at -276.86,28.905 h0.64; ASSEMBLY_TOP "RB520S30T1G" at -276.86,27.762 h0.64 r90
D36: PIN_NUMBER "2" at -291.973,61.417 h0.64 r180; PIN_NUMBER "1" at -291.048,61.417 h0.64 r180; ASSEMBLY_TOP "TPD1E1B04DPY" at -291.383,61.671 h0.64 r180
D37: PIN_NUMBER "2" at -289.199,61.417 h0.64; PIN_NUMBER "1" at -290.124,61.417 h0.64; ASSEMBLY_TOP "TPD1E1B04DPY" at -289.281,61.163 h0.64
D38: PIN_NUMBER "1" at -286.492,61.417 h0.64; PIN_NUMBER "2" at -285.567,61.417 h0.64; ASSEMBLY_TOP "TPD1E1B04DPY" at -285.648,61.163 h0.64
D39: PIN_NUMBER "1" at -284.638,61.417 h0.64; PIN_NUMBER "2" at -283.713,61.417 h0.64; ASSEMBLY_TOP "TPD1E1B04DPY" at -283.794,61.163 h0.64
D40: PIN_NUMBER "1" at -282.016,66.294 h0.64 r180; PIN_NUMBER "2" at -282.941,66.294 h0.64 r180; ASSEMBLY_TOP "TPD1E1B04DPY" at -282.352,66.04 h0.64 r180
D41: PIN_NUMBER "2" at -280.533,36.627 h0.64; PIN_NUMBER "1" at -281.458,36.627 h0.64; ASSEMBLY_TOP "TPD1E1B04DPY" at -280.615,36.373 h0.64
D42: PIN_NUMBER "2" at -283.87,36.627 h0.64 r180; PIN_NUMBER "1" at -282.945,36.627 h0.64 r180; ASSEMBLY_TOP "TPD1E1B04DPY" at -283.281,36.881 h0.64 r180
D43: PIN_NUMBER "2" at -285.888,36.627 h0.64 r180; PIN_NUMBER "1" at -284.963,36.627 h0.64 r180; ASSEMBLY_TOP "TPD1E1B04DPY" at -285.298,36.881 h0.64 r180
D44: PIN_NUMBER "2" at -288.31,43.205 h0.64; PIN_NUMBER "1" at -289.235,43.205 h0.64; ASSEMBLY_TOP "TPD1E1B04DPY" at -288.392,42.951 h0.64
D45: PIN_NUMBER "2" at -291.089,43.205 h0.64 r180; PIN_NUMBER "1" at -290.164,43.205 h0.64 r180; ASSEMBLY_TOP "TPD1E1B04DPY" at -290.5,43.459 h0.64 r180
D46: PIN_NUMBER "2" at -275.513,61.871 h0.64 r90; PIN_NUMBER "1" at -273.862,61.871 h0.64 r90; ASSEMBLY_TOP "RB520S30T1G" at -274.116,61.617 h0.64 r180
D47: PIN_NUMBER "2" at -322.96,66.964 h0.64 r270; PIN_NUMBER "1" at -321.309,66.964 h0.64 r270; ASSEMBLY_TOP "RB520S30T1G" at -321.563,67.218 h0.64 r180
D48: PIN_NUMBER "1" at -321.309,66 h0.64 r270; PIN_NUMBER "2" at -322.96,66 h0.64 r270; ASSEMBLY_TOP "RB520S30T1G" at -321.563,66.254 h0.64 r180
D49: PIN_NUMBER "1" at -326.153,63.417 h0.64; PIN_NUMBER "2" at -326.153,65.068 h0.64; ASSEMBLY_TOP "RB520S30T1G" at -326.153,63.925 h0.64 r90
D50: PIN_NUMBER "2" at -273.774,32.765 h0.64 r90; PIN_NUMBER "1" at -272.123,32.765 h0.64 r90; ASSEMBLY_TOP "RB520S30T1G" at -272.377,32.511 h0.64 r180
D51: PIN_NUMBER "2" at -273.76,31.8 h0.64 r90; PIN_NUMBER "1" at -272.109,31.8 h0.64 r90; ASSEMBLY_TOP "RB520S30T1G" at -272.363,31.546 h0.64 r180
D52: PIN_NUMBER "1" at -281.036,66.294 h0.64; PIN_NUMBER "2" at -280.111,66.294 h0.64; ASSEMBLY_TOP "TPD1E1B04DPY" at -280.193,66.548 h0.64
D53: PIN_NUMBER "2" at -275.513,60.808 h0.64 r90; PIN_NUMBER "1" at -273.862,60.808 h0.64 r90; ASSEMBLY_TOP "RB520S30T1G" at -274.116,60.554 h0.64 r180
D54: PIN_NUMBER "2" at -276.584,62.379 h0.64 r270; PIN_NUMBER "1" at -278.235,62.379 h0.64 r270; ASSEMBLY_TOP "RB520S30T1G" at -277.473,62.633 h0.64
D55: PIN_NUMBER "1" at -275.102,30.22 h0.64 r90; PIN_NUMBER "2" at -276.753,30.22 h0.64 r90; ASSEMBLY_TOP "RB520S30T1G" at -275.356,29.966 h0.64 r180
D56: PIN_NUMBER "1" at -321.309,65.024 h0.64 r270; PIN_NUMBER "2" at -322.96,65.024 h0.64 r270; ASSEMBLY_TOP "RB520S30T1G" at -321.563,65.278 h0.64 r180
D58: PIN_NUMBER "1" at -277.876,27.254 h0.64; PIN_NUMBER "2" at -277.876,28.905 h0.64; ASSEMBLY_TOP "RB520S30T1G" at -277.876,27.762 h0.64 r90
D59: PIN_NUMBER "1" at -275.869,27.254 h0.64; PIN_NUMBER "2" at -275.869,28.905 h0.64; ASSEMBLY_TOP "RB520S30T1G" at -275.869,27.762 h0.64 r90
D61: PIN_NUMBER "1" at -305.46,16.51 h0.64; PIN_NUMBER "2" at -305.46,14.859 h0.64; ASSEMBLY_TOP "RB520S30T1G" at -305.46,16.002 h0.64 r270
D63: PIN_NUMBER "2" at -295.814,21.404 h0.64 r90; PIN_NUMBER "1" at -297.465,21.404 h0.64 r90; ASSEMBLY_TOP "RB520S30T1G" at -296.703,21.15 h0.64
D66: PIN_NUMBER "2" at -329.135,60.758 h0.64 r90; PIN_NUMBER "1" at -327.484,60.758 h0.64 r90; ASSEMBLY_TOP "RB520S30T1G" at -327.738,60.504 h0.64 r180
D73: PIN_NUMBER "1" at -258.318,75.418 h0.64 r90; PIN_NUMBER "2" at -258.318,76.118 h0.64 r90; ASSEMBLY_TOP "TPD1E0B04DPY" at -258.445,75.387 h0.64 r90
D74: PIN_NUMBER "1" at -257.454,67.939 h0.64 r270; PIN_NUMBER "2" at -257.454,67.239 h0.64 r270; ASSEMBLY_TOP "TPD1E0B04DPY" at -256.819,67.97 h0.64 r270
F1: PIN_NUMBER "2" at -279.259,30.226 h0.64 r180; PIN_NUMBER "1" at -277.658,30.226 h0.64 r180; ASSEMBLY_TOP "100mA" at -277.696,29.972 h0.64 r180
FB1: PIN_NUMBER "1" at -270.078,71.329 h0.64 r270; PIN_NUMBER "2" at -270.078,70.403 h0.64 r270; ASSEMBLY_TOP "120R" at -270.078,70.739 h0.64 r270
FB2: PIN_NUMBER "1" at -262.997,64.17 h0.64 r270; PIN_NUMBER "2" at -262.997,63.245 h0.64 r270; ASSEMBLY_TOP "120R" at -262.489,63.581 h0.64 r270
FB4: PIN_NUMBER "1" at -328.835,45.289 h0.64; PIN_NUMBER "2" at -327.91,45.289 h0.64; ASSEMBLY_TOP "120R" at -327.991,45.035 h0.64
FB5: PIN_NUMBER "1" at -267.321,58.251 h0.64; PIN_NUMBER "2" at -266.395,58.251 h0.64; ASSEMBLY_TOP "120R" at -266.477,58.505 h0.64
FB6: PIN_NUMBER "1" at -309.835,41.022 h0.64; PIN_NUMBER "2" at -308.909,41.022 h0.64; ASSEMBLY_TOP "120R" at -308.991,40.768 h0.64
FB7: PIN_NUMBER "1" at -300.824,62.976 h0.64 r180; PIN_NUMBER "2" at -301.749,62.976 h0.64 r180; ASSEMBLY_TOP "120R" at -301.16,63.23 h0.64 r180
FB8: PIN_NUMBER "1" at -304.492,62.976 h0.64 r180; PIN_NUMBER "2" at -305.417,62.976 h0.64 r180; ASSEMBLY_TOP "120R" at -304.827,63.23 h0.64 r180
FB9: PIN_NUMBER "2" at -299.822,42.322 h0.64 r90; PIN_NUMBER "1" at -299.822,41.397 h0.64 r90; ASSEMBLY_TOP "120R" at -299.822,41.986 h0.64 r90
FB10: PIN_NUMBER "1" at -311.447,62.968 h0.64; PIN_NUMBER "2" at -310.522,62.968 h0.64; ASSEMBLY_TOP "120R" at -310.603,62.714 h0.64
FB11: PIN_NUMBER "1" at -294.352,52.917 h0.64 r270; PIN_NUMBER "2" at -294.352,51.992 h0.64 r270; ASSEMBLY_TOP "120R" at -294.352,52.328 h0.64 r270
FB12: PIN_NUMBER "1" at -292.176,44.878 h0.64 r180; PIN_NUMBER "2" at -293.102,44.878 h0.64 r180; ASSEMBLY_TOP "120R" at -292.512,45.132 h0.64 r180
FB13: PIN_NUMBER "2" at -310.075,35.665 h0.64 r180; PIN_NUMBER "1" at -309.15,35.665 h0.64 r180; ASSEMBLY_TOP "120R" at -309.485,35.919 h0.64 r180
FB14: PIN_NUMBER "1" at -309.237,62.981 h0.64; PIN_NUMBER "2" at -308.312,62.981 h0.64; ASSEMBLY_TOP "120R" at -308.394,62.727 h0.64
FB15: PIN_NUMBER "1" at -302.637,62.976 h0.64 r180; PIN_NUMBER "2" at -303.562,62.976 h0.64 r180; ASSEMBLY_TOP "120R" at -302.972,63.23 h0.64 r180
FB16: PIN_NUMBER "1" at -307.276,62.993 h0.64; PIN_NUMBER "2" at -306.351,62.993 h0.64; ASSEMBLY_TOP "120R" at -306.433,62.739 h0.64
FB17: PIN_NUMBER "1" at -281.736,41.485 h0.64 r90; PIN_NUMBER "2" at -281.736,42.41 h0.64 r90; ASSEMBLY_TOP "120R" at -281.736,42.074 h0.64 r90
FB18: PIN_NUMBER "2" at -290.564,27.904 h0.64; PIN_NUMBER "1" at -291.489,27.904 h0.64; ASSEMBLY_TOP "120R" at -290.645,27.65 h0.64
FB19: PIN_NUMBER "2" at -290.292,25.955 h0.64 r90; PIN_NUMBER "1" at -290.292,25.03 h0.64 r90; ASSEMBLY_TOP "120R" at -289.784,25.62 h0.64 r90
FB20: PIN_NUMBER "2" at -291.468,24.539 h0.64; PIN_NUMBER "1" at -292.393,24.539 h0.64; ASSEMBLY_TOP "120R" at -291.549,24.285 h0.64
FB21: PIN_NUMBER "1" at -323.54,77.539 h0.64 r180; PIN_NUMBER "2" at -324.465,77.539 h0.64 r180; ASSEMBLY_TOP "120R" at -323.875,77.285 h0.64 r180
FB22: PIN_NUMBER "2" at -285.046,25.955 h0.64 r90; PIN_NUMBER "1" at -285.046,25.03 h0.64 r90; ASSEMBLY_TOP "120R" at -284.538,25.62 h0.64 r90
FB23: PIN_NUMBER "2" at -288.324,25.955 h0.64 r90; PIN_NUMBER "1" at -288.324,25.03 h0.64 r90; ASSEMBLY_TOP "120R" at -287.816,25.62 h0.64 r90
FB24: PIN_NUMBER "2" at -282.037,28.374 h0.64; PIN_NUMBER "1" at -282.962,28.374 h0.64; ASSEMBLY_TOP "120R" at -282.119,28.12 h0.64
FB29: PIN_NUMBER "1" at -296.67,67.393 h0.64; PIN_NUMBER "2" at -295.745,67.393 h0.64; ASSEMBLY_TOP "120R" at -295.827,67.139 h0.64
FB30: PIN_NUMBER "1" at -291.442,68.464 h0.64 r180; PIN_NUMBER "2" at -292.367,68.464 h0.64 r180; ASSEMBLY_TOP "120R" at -291.778,68.718 h0.64 r180
FB31: PIN_NUMBER "2" at -294.435,61.56 h0.64; PIN_NUMBER "1" at -295.36,61.56 h0.64; ASSEMBLY_TOP "120R" at -294.517,61.306 h0.64
FB32: PIN_NUMBER "2" at -287.594,68.514 h0.64 r90; PIN_NUMBER "1" at -287.594,67.589 h0.64 r90; ASSEMBLY_TOP "120R" at -287.594,68.179 h0.64 r90
FL2: PIN_NUMBER "1" at -308.425,69.427 h0.64; PIN_NUMBER "2" at -307.5,69.427 h0.64; ASSEMBLY_TOP "120R" at -307.581,69.681 h0.64
J1: PIN_NUMBER "3" at -268.199,43.391 h0.64; PIN_NUMBER "1" at -268.199,45.591 h0.64; PIN_NUMBER "2" at -268.199,44.491 h0.64; PIN_NUMBER "8" at -268.199,37.891 h0.64; PIN_NUMBER "7" at -268.199,38.991 h0.64; PIN_NUMBER "12" at -258.353,51.191 h0.64; PIN_NUMBER "11" at -258.353,35.491 h0.64; PIN_NUMBER "10" at -267.853,35.491 h0.64; PIN_NUMBER "6" at -268.199,40.091 h0.64; PIN_NUMBER "13" at -267.952,50.291 h0.64 r90; PIN_NUMBER "5" at -268.199,41.191 h0.64; PIN_NUMBER "9" at -268.199,36.791 h0.64; PIN_NUMBER "4" at -268.199,42.291 h0.64; ASSEMBLY_TOP "ST-TF-003J" at -261.595,43.849 h0.64
J2: PIN_NUMBER "2" at -265.263,14 h0.64; PIN_NUMBER "5" at -261.453,16.54 h0.64; PIN_NUMBER "S1" at -270.342,10.701 h0.64; PIN_NUMBER "S2" at -256.882,10.701 h0.64; PIN_NUMBER "4" at -262.723,14 h0.64; PIN_NUMBER "3" at -263.993,16.54 h0.64; ASSEMBLY_TOP "LPJE158-0CNL" at -259.804,15.35 h0.64
J3: PIN_NUMBER "3" at -255.6,74.649 h0.64 r180; PIN_NUMBER "2" at -255.6,77.599 h0.64 r180; PIN_NUMBER "1" at -257.175,76.124 h0.64 r180; ASSEMBLY_TOP "U.FL-R-SMT-1(10)" at -254.864,76.378 h0.64 r180